# Allegro board RK_EVB1_RK3576_LP4XD200P132SD6_V12_20240530YWQ.brd (continued)
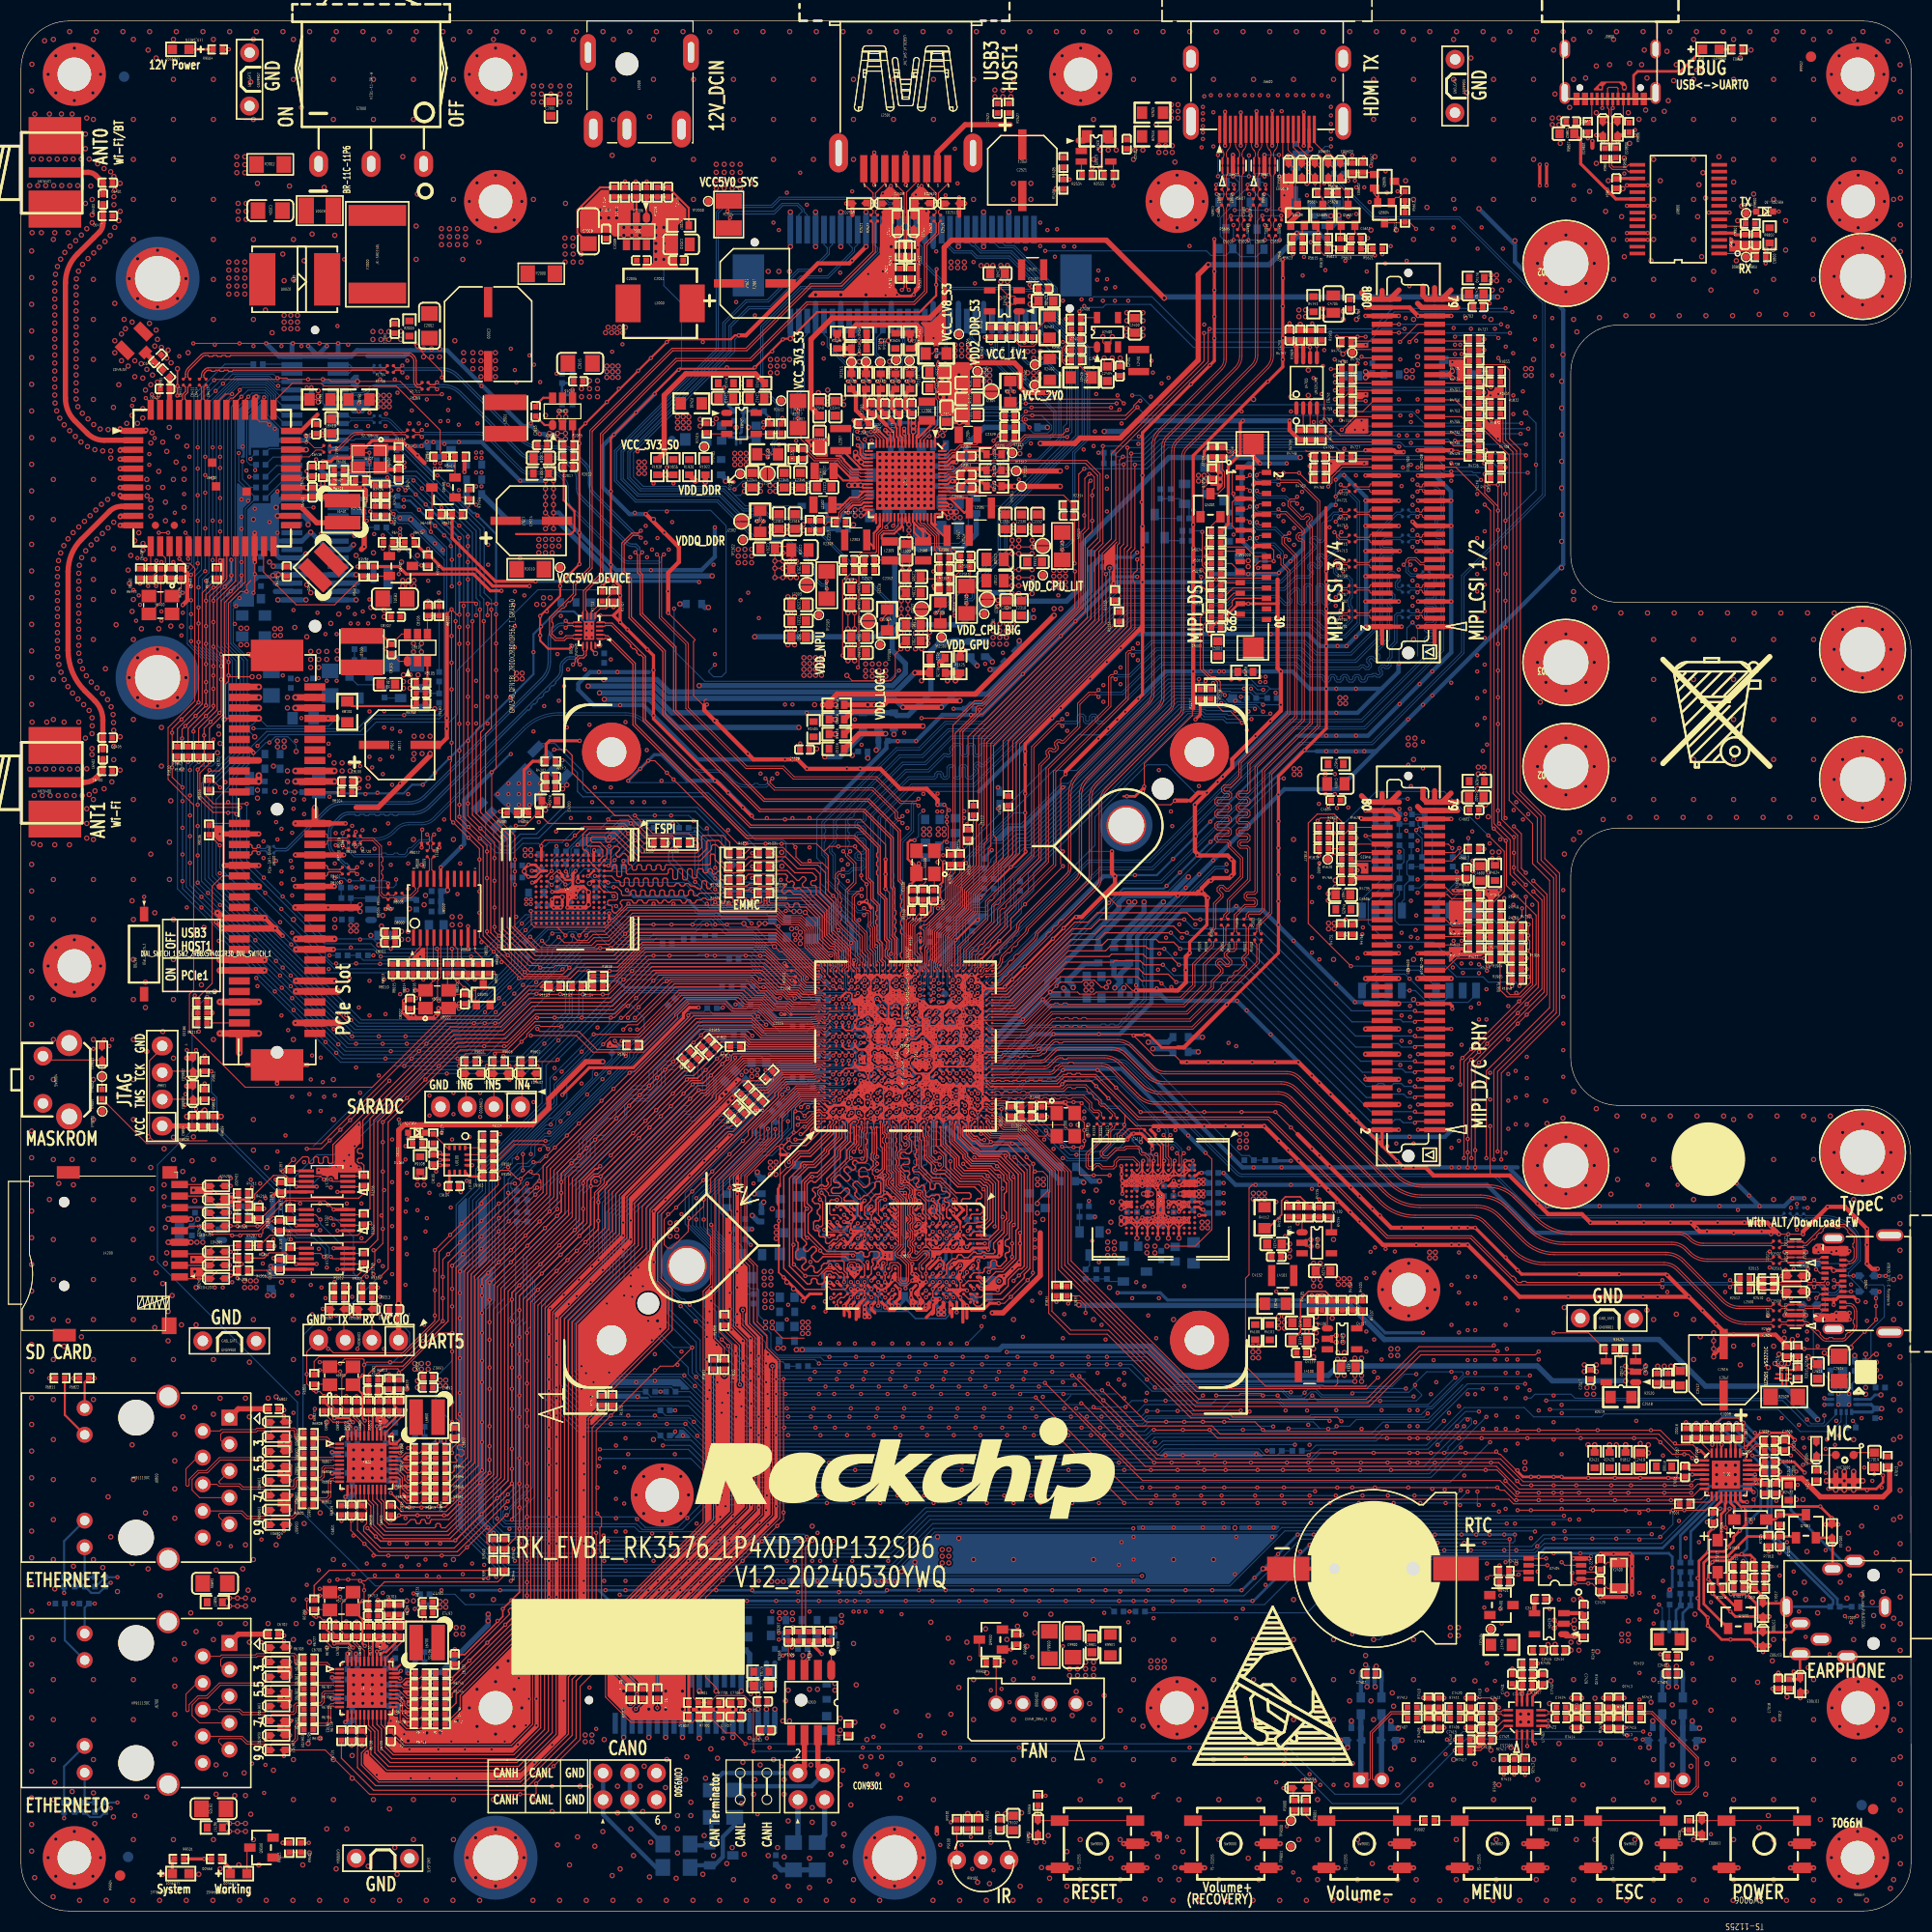
[diagram p0: board, top side]
## Nets (continued)
MIPI_DPHY_CSI1_PWM: R1831.2 R4755.1
MIPI_DPHY_CSI1_RX_CLKN: R4708.1 U1000.1AC23(MIPI_DPHY_CSI1_RX_CLKN |                     --)
MIPI_DPHY_CSI1_RX_CLKP: R4710.1 U1000.1AC22(MIPI_DPHY_CSI1_RX_CLKP |                     --)
MIPI_DPHY_CSI1_RX_D0N: R4700.1 U1000.AE28(MIPI_DPHY_CSI1_RX_D0N  |                     --)
MIPI_DPHY_CSI1_RX_D0P: R4704.1 U1000.AE29(MIPI_DPHY_CSI1_RX_D0P  |                     --)
MIPI_DPHY_CSI1_RX_D1N: R4706.1 U1000.AF28(MIPI_DPHY_CSI1_RX_D1N  |                     --)
MIPI_DPHY_CSI1_RX_D1P: R4703.1 U1000.AF29(MIPI_DPHY_CSI1_RX_D1P  |                     --)
MIPI_DPHY_CSI1_RX_D2N/MIPI_DPHY_CSI2_RX_D0N: R4712.1 U1000.AG28(MIPI_DPHY_CSI1_RX_D2N  |  MIPI_DPHY_CSI2_RX_D0N)
MIPI_DPHY_CSI1_RX_D2P/MIPI_DPHY_CSI2_RX_D0P: R4714.1 U1000.AG29(MIPI_DPHY_CSI1_RX_D2P  |  MIPI_DPHY_CSI2_RX_D0P)
MIPI_DPHY_CSI1_RX_D3N/MIPI_DPHY_CSI2_RX_D1N: R4716.1 U1000.AH28(MIPI_DPHY_CSI1_RX_D3N  |  MIPI_DPHY_CSI2_RX_D1N)
MIPI_DPHY_CSI1_RX_D3P/MIPI_DPHY_CSI2_RX_D1P: R4718.1 U1000.AH29(MIPI_DPHY_CSI1_RX_D3P  |  MIPI_DPHY_CSI2_RX_D1P)
MIPI_DPHY_CSI2_CAM_CLKOUT: R1901.2 R1902.2 R4752.1
MIPI_DPHY_CSI2_CAM_CLKOUT_CON: C4708.1 R4726.1 R4752.2 R4754.1
MIPI_DPHY_CSI2_PDN_H: R1941.2 R4732.1
MIPI_DPHY_CSI2_PWM: R1833.2 R4757.1
MIPI_DPHY_CSI2_RX_CLKN: R4720.1 U1000.1AD22(--                     | MIPI_DPHY_CSI2_RX_CLKN)
MIPI_DPHY_CSI2_RX_CLKP: R4722.1 U1000.1AD21(--                     | MIPI_DPHY_CSI2_RX_CLKP)
MIPI_DPHY_CSI3/4_PWREN_H: R1946.2 R4735.2 R4766.1
MIPI_DPHY_CSI3_CAM_CLKOUT: CON4700.40(MIPI_RX1_MCLK0) R1953.2
MIPI_DPHY_CSI3_PDN_H: R4731.2 R4765.1 U1000.1D10(--          | I2C3_SDA_M2    | SPI3_MISO_M1   | UART5_TX_M0    | --              | --              | FLEXBUS1_D0     | DSMC_CLKP   | SAI1_SDI2_M1 | --                  | VO_EBC_GDCLK  | VO_LCDC_HSYNC | GPIO3_D5_D)
MIPI_DPHY_CSI3_PWM: R1839.2 R4761.1
MIPI_DPHY_CSI3_RX_CLKN: R4709.2 U1000.1H23(MIPI_DPHY_CSI3_RX_CLKN |                     --)
MIPI_DPHY_CSI3_RX_CLKP: R4711.2 U1000.1H22(MIPI_DPHY_CSI3_RX_CLKP |                     --)
MIPI_DPHY_CSI3_RX_D0N: R4701.2 U1000.H29(MIPI_DPHY_CSI3_RX_D0N  |                     --)
MIPI_DPHY_CSI3_RX_D0P: R4705.2 U1000.H28(MIPI_DPHY_CSI3_RX_D0P  |                     --)
MIPI_DPHY_CSI3_RX_D1N: R4702.2 U1000.J29(MIPI_DPHY_CSI3_RX_D1N  |                     --)
MIPI_DPHY_CSI3_RX_D1P: R4707.2 U1000.J28(MIPI_DPHY_CSI3_RX_D1P  |                     --)
MIPI_DPHY_CSI3_RX_D2N/MIPI_DPHY_CSI4_RX_D0N: R4713.2 U1000.K29(MIPI_DPHY_CSI3_RX_D2N  |  MIPI_DPHY_CSI4_RX_D0N)
MIPI_DPHY_CSI3_RX_D2P/MIPI_DPHY_CSI4_RX_D0P: R4715.2 U1000.K28(MIPI_DPHY_CSI3_RX_D2P  |  MIPI_DPHY_CSI4_RX_D0P)
MIPI_DPHY_CSI3_RX_D3N/MIPI_DPHY_CSI4_RX_D1N: R4717.2 U1000.L29(MIPI_DPHY_CSI3_RX_D3N  |  MIPI_DPHY_CSI4_RX_D1N)
MIPI_DPHY_CSI3_RX_D3P/MIPI_DPHY_CSI4_RX_D1P: R4719.2 U1000.L28(MIPI_DPHY_CSI3_RX_D3P  |  MIPI_DPHY_CSI4_RX_D1P)
MIPI_DPHY_CSI4_CAM_CLKOUT: R1905.2 R4760.1
MIPI_DPHY_CSI4_CAM_CLKOUT_CON: C4709.1 R4727.2 R4760.2 R4762.1
MIPI_DPHY_CSI4_PDN_H: R1945.2 R4733.2
MIPI_DPHY_CSI4_PWM: R1835.2 R4764.1
MIPI_DPHY_CSI4_RX_CLKN: R4721.2 U1000.1K23(--                     | MIPI_DPHY_CSI4_RX_CLKN)
MIPI_DPHY_CSI4_RX_CLKP: R4723.2 U1000.1K22(--                     | MIPI_DPHY_CSI4_RX_CLKP)
MIPI_DPHY_DSI_TX_CLKN: R5004.2 U1000.AK17(MIPI_DPHY_DSI_TX_CLKN | MIPI_CPHY_DSI_TX_TRIO1_B)
MIPI_DPHY_DSI_TX_CLKP: R5005.1 U1000.AL17(MIPI_DPHY_DSI_TX_CLKP | MIPI_CPHY_DSI_TX_TRIO1_C)
MIPI_DPHY_DSI_TX_D0N: R5000.2 U1000.AK15(MIPI_DPHY_DSI_TX_D0N  | MIPI_CPHY_DSI_TX_TRIO0_A)
MIPI_DPHY_DSI_TX_D0P: R5001.1 U1000.AL15(MIPI_DPHY_DSI_TX_D0P  | MIPI_CPHY_DSI_TX_TRIO0_B)
MIPI_DPHY_DSI_TX_D1N: R5002.1 U1000.AK16(MIPI_DPHY_DSI_TX_D1N  | MIPI_CPHY_DSI_TX_TRIO0_C)
MIPI_DPHY_DSI_TX_D1P: R5003.2 U1000.AL16(MIPI_DPHY_DSI_TX_D1P  | MIPI_CPHY_DSI_TX_TRIO1_A)
MIPI_DPHY_DSI_TX_D2N: R5006.1 U1000.AK18(MIPI_DPHY_DSI_TX_D2N  | MIPI_CPHY_DSI_TX_TRIO2_A)
MIPI_DPHY_DSI_TX_D2P: R5007.2 U1000.AL18(MIPI_DPHY_DSI_TX_D2P  | MIPI_CPHY_DSI_TX_TRIO2_B)
MIPI_DPHY_DSI_TX_D3N: R5008.2 U1000.AK19(MIPI_DPHY_DSI_TX_D3N  | MIPI_CPHY_DSI_TX_TRIO2_C)
MIPI_DPHY_DSI_TX_D3P: R5009.1 U1000.AL19(MIPI_DPHY_DSI_TX_D3P  |                   NO_USE)
MIPI_DPHY_FSYNC: R4614.1 R4753.1 R4759.1
MIPI_DPHY_HSYNC: R4616.1 R4756.1 R4763.1
MIPI_TE: Q5001.2(EMITTER) R5011.2 R5024.2
MIPI_TE_M1_GPIO3_A2: Q5001.3(COLLECTOR) R1904.2 R5021.2
NPOR: C1119.1 R1106.1 R1107.1 U1000.W28(NPOR)
OSC_1V8: C1102.1 R1119.2 R1124.2 U1000.2J10(OSC_AVDD1V8)
OSC_UFS_AVDD: C1307.1 R1324.1 U1000.2M2(OSC_UFS_AVDD)
OSC_UFS_XIN: C1304.1 R1302.2 U1000.AK5(OSC_UFS_XIN) Y1300.3(X2)
OSC_UFS_XOUT: R1300.1 R1302.1 U1000.AL5(OSC_UFS_XOUT)
OTP_VDD0V75: C1117.1 R1148.1 U1000.2H11(OTP_DVDD0V75)
PCIE0_CLKREQN_1V8: Q6400.2(EMITTER) R6414.2 R6418.2 U6400.37(PCIE_CLKREQ_L)
PCIE0_CLKREQN_M0: Q6400.3(COLLECTOR) R6408.2 R6515.1 U1000.1A17(--          | --              | PCIE0_CLKREQN_M0 | SPI4_CSN0_M3  | UART1_CTSN_M1  | PDM0_SDI1_M3 | SAI0_SDI2_M0 | ETH0_TXD3_M1        | SDMMC1_CMD_M1       | VI_CIF_D11           | GPIO2_B2_D)
PCIE0_PERSTN: R6410.1 R6517.1 U1000.A19(--          | SATA0_ACTLED_M0 | --               | SPI4_MOSI_M3  | UART7_CTSN_M0  | PDM0_SDI0_M3 | SAI0_SDI3_M0 | ETH0_TXD2_M1        | SDMMC1_PWREN_M1     | VI_CIF_D9            | GPIO2_B4_D)
PCIE0_PERSTN_1V8: R6410.2 R6413.1 U6400.12(PCIE_PERST_L)
PCIE0_SOC_REFCLKN: R1713.1 R1714.1 U1000.1N23(PCIE0_REFCLKN |        --)
PCIE0_SOC_REFCLKP: R1715.1 R1716.1 U1000.1N22(PCIE0_REFCLKP |        --)
PCIE0_SOC_RXN: R1708.1 R1709.1 U1000.R29(PCIE0_RXN     | SATA0_RXN)
PCIE0_SOC_RXP: R1710.1 R1711.1 U1000.R28(PCIE0_RXP     | SATA0_RXP)
PCIE0_SOC_TXN: R1705.1 R1706.1 U1000.P28(PCIE0_TXN     | SATA0_TXN)
PCIE0_SOC_TXP: R1703.1 R1704.1 U1000.P29(PCIE0_TXP     | SATA0_TXP)
PCIE0_WAKEN_1V8: Q6401.2(EMITTER) R6415.2 R6419.2 U6400.24(PCIE_PME_L)
PCIE0_WAKEN_M0: Q6401.3(COLLECTOR) R6409.2 R6516.1 U1000.1Y22(UART1_CTSN_M0 | PWM1_CH5_M0 | CPUBIG_AVS     | --              | I2C4_SCL_M0      | PDM0_SDI2_M0 | SAI0_SDO2_M1   | SAI0_SDI2_M1 | GPIO0_D2_D)
PCIE1_CLKREQN_M0: Q8000.1(GATE) R8106.1 U1000.1B16(--          | --              | PCIE1_CLKREQN_M0 | SPI4_CLK_M3   | UART1_RTSN_M1  | PDM0_CLK1_M3 | SAI0_SDO2_M0 | ETH0_TXCLK_M1       | SDMMC1_CLK_M1       | VI_CIF_D10           | GPIO2_B3_D)
PCIE1_PERSTN: R8104.2 SW1801.8(B1)
PCIE1_PRSNT_L: R1950.2 R8108.1
PCIE1_PWREN_H: R1939.2 R8035.1 R8102.1 R8117.1
PCIE1_REFCLKN: R1720.1 R8116.1 U1000.1M23(PCIE1_REFCLKN | --        |              --)
PCIE1_REFCLKP: R1719.1 R8114.1 U1000.1L23(PCIE1_REFCLKP | --        |              --)
PCIE1_RXN: R8109.2 U1700.16(HSB0-)
PCIE1_RXN/USB3_HOST1_SSRXN: U1000.M29(PCIE1_RXN     | SATA1_RXN | USB3_OTG1_SSRXN) U1700.1(A0-)
PCIE1_RXP: R8107.2 U1700.15(HSB0+)
PCIE1_RXP/USB3_HOST1_SSRXP: U1000.M28(PCIE1_RXP     | SATA1_RXP | USB3_OTG1_SSRXP) U1700.2(A0+)
PCIE1_TXN: C8108.1 U1700.11(HSB1-)
PCIE1_TXN/USB3_HOST1_SSTXN: U1000.N29(PCIE1_TXN     | SATA1_TXN | USB3_OTG1_SSTXN) U1700.4(A1-)
PCIE1_TXP: C8107.1 U1700.10(HSB1+)
PCIE1_TXP/USB3_HOST1_SSTXP: U1000.N28(PCIE1_TXP     | SATA1_TXP | USB3_OTG1_SSTXP) U1700.5(A1+)
PCIE1_WAKEN_M0: R1142.2 R8103.1
PCIE_CLKIC_0_REFCLKN: R1720.2 R8005.2 R8007.2
PCIE_CLKIC_0_REFCLKP: R1719.2 R8004.2 R8006.2
PCIE_CLKIC_1_REFCLKN: R8009.2 R8011.1 R8120.1
PCIE_CLKIC_1_REFCLKP: R8008.2 R8012.1 R8119.1
PCIE_COMBOPHY_AVDD0V85: C1700.1 C1702.1 R1700.1 U1000.2E11(PCIE1_SATA1_USB3_OTG1_AVDD0V85) U1000.2F11(PCIE0_SATA0_AVDD0V85)
PCIE_COMBOPHY_AVDD1V8: C1701.1 C1703.1 C1704.1 R1701.1 U1000.2E12(PCIE1_SATA1_USB3_OTG1_AVDD1V8) U1000.2F12(PCIE0_SATA0_AVDD1V8)
PCIE_CON_REFCLKN: CON6500.44(SOC_PCIE_CLKN) R6502.2
PCIE_CON_REFCLKP: CON6500.46(SOC_PCIE_CLKP) R6501.2
PCIE_CON_TXN: C6501.2 CON6500.56(SOC_PCIE TXN)
PCIE_CON_TXP: C6500.2 CON6500.58(SOC_PCIE TXP)
PCIE_SLOT_CLKREQN_3V3_C: R8106.2 U8100.B12(RSVD_B12)
PCIE_SLOT_PERSTN_3V3_C: R8104.1 U8100.A11(PERST#)
PCIE_SLOT_PRSNT_L_3V3_C: R8108.2 R8110.2 R8111.1 U8100.B17(PRSNT2#_1)
PCIE_SLOT_REFCLKN: R8116.2 R8120.2 U8100.A14(REFCLK-)
PCIE_SLOT_REFCLKP: R8114.2 R8119.2 U8100.A13(REFCLK+)
PCIE_SLOT_RXDN: R8109.1 U8100.A17(PERN0)
PCIE_SLOT_RXDP: R8107.1 U8100.A16(PERP0)
PCIE_SLOT_TXDN: C8108.2 U8100.B15(PETN0)
PCIE_SLOT_TXDP: C8107.2 U8100.B14(PETP0)
PCIE_SLOT_WAKEN_3V3_C: R8103.2 U8100.B11(WAKE#)
PDM1_CLK0_M1: R1809.2 R7706.2
PDM1_CLK0_M1_LOOPBACK: R1807.2 U7402.3(PDM_CLK)
PDM1_CLK1_M1: R7705.1 U1000.1A5(--          | UART2_RTSN_M1    | UART6_RTSN_M0 | UART5_TX_M1   | SPI4_CLK_M2  | FLEXBUS1_D13_M1 | PDM1_CLK1_M1    | SAI1_SDI3_M0 | SAI1_SDO1_M0 | GPIO4_B0_D)
PDM1_SDI0_M1: R1811.2 R7708.2
PDM1_SDI1_M1: R7707.1 U1000.B6(--          | --               | MIPI_TE_M0    | --            | SPI4_MISO_M2 | FLEXBUS1_D15_M1 | PDM1_SDI1_M1    | SAI1_SDI1_M0 | SAI1_SDO3_M0 | GPIO4_B2_D)
PDM1_SDI2_M1: R7710.2 U1000.B7(--          | UART2_CTSN_M1    | UART6_CTSN_M0 | UART5_RX_M1   | SPI4_MOSI_M2 | FLEXBUS1_D14_M1 | PDM1_SDI2_M1    | SAI1_SDI2_M0 | SAI1_SDO2_M0 | GPIO4_B1_D)
PDM1_SDI3_M1: R1805.2 R7709.1
PDM1_SDI3_M1_LOOPBACK: R1804.2 R7413.1
PHY0_CHASSIS_GND: C6705.1 J6700.10(EARTH) J6700.15 J6700.16 R6717.2
PHY0_CLKOUT125: R6710.2 U6700.35(CLKOUT)
PHY0_LED0/CFG_EXT: R6718.2 R6719.1 U6700.32(LED0/CFG_EXT)
PHY0_LED1/CFG_LDO0: J6700.11(G+) R6722.2 U6700.33(LED1/CFG_LDO0)
PHY0_LED2/CFG_LDO1: C6704.1 R6714.1 R6715.1 R6720.2 R6721.1 U6700.34(LED2/CFG_LDO1)
PHY0_MDI0+: R6708.1 U6700.1(MDI[0]+)
PHY0_MDI0-: R6707.1 U6700.2(MDI[0]-)
PHY0_MDI1+: R6706.1 U6700.4(MDI[1]+)
PHY0_MDI1-: R6705.1 U6700.5(MDI[1]-)
PHY0_MDI2+: R6704.1 U6700.6(MDI[2]+)
PHY0_MDI2-: R6703.1 U6700.7(MDI[2]-)
PHY0_MDI3+: R6701.1 U6700.9(MDI[3]+)
PHY0_MDI3-: R6700.1 U6700.10(MDI[3]-)
PHY0_MDI_0+: ED6704.1 J6700.2(MDI0+) R6708.2
PHY0_MDI_0-: ED6705.1 J6700.3(MDI0-) R6707.2
PHY0_MDI_1+: ED6706.1 J6700.4(MDI1+) R6706.2
PHY0_MDI_1-: ED6700.1 J6700.7(MDI1-) R6705.2
PHY0_MDI_2+: ED6701.1 J6700.5(MDI2+) R6704.2
PHY0_MDI_2-: ED6702.1 J6700.6(MDI2-) R6703.2
PHY0_MDI_3+: ED6703.1 J6700.8(MDI3+) R6701.2
PHY0_MDI_3-: ED6707.1 J6700.9(MDI3-) R6700.2
PHY0_REG_OUT: L6700.1 U6700.30(REG_OUT)
PHY0_RSTN: C6721.1 R6739.2 U6700.12(PHYRSTB)
PHY0_RXCLK/PHYAD1: R6735.2 R6744.1 U6700.27(RXC/PHYAD1)
PHY0_RXD0/RXDLY: R6725.2 R6726.1 R6740.1 U6700.25(RXD0/RXDLY)
PHY0_RXD1/TXDLY: R6728.2 R6729.1 R6741.1 U6700.24(RXD1/TXDLY)
PHY0_RXD2/PLLOFF: R6723.2 R6724.1 R6742.1 U6700.23(RXD2/PLLOFF)
PHY0_RXD3/PHYAD0: R6732.2 R6734.1 R6743.1 U6700.22(RXD3/PHYAD0)
PHY0_RXDV/PHYAD2: R6736.2 R6745.1 U6700.26(RXCTL/PHYAD2)
PHY0_XTALIN: C6701.1 R6702.1 U6700.36(XTAL_IN) Y6700.3(X2)
PHY0_XTALOUT: C6700.1 R6709.2 U6700.37(XTAL_OUT/EXT_CLK) Y6700.1(X1)
PHY1_CHASSIS_GND: C6805.1 J6800.10(EARTH) J6800.15 J6800.16 R6817.2
PHY1_CLKOUT125: R6810.2 U6800.35(CLKOUT)
PHY1_LED0/CFG_EXT: R6818.2 R6819.1 U6800.32(LED0/CFG_EXT)
PHY1_LED1/CFG_LDO0: J6800.11(G+) R6822.2 U6800.33(LED1/CFG_LDO0)
PHY1_LED2/CFG_LDO1: C6804.1 R6814.1 R6815.1 R6820.2 R6821.1 U6800.34(LED2/CFG_LDO1)
PHY1_MDI0+: R6808.1 U6800.1(MDI[0]+)
PHY1_MDI0-: R6807.1 U6800.2(MDI[0]-)
PHY1_MDI1+: R6806.1 U6800.4(MDI[1]+)
PHY1_MDI1-: R6805.1 U6800.5(MDI[1]-)
PHY1_MDI2+: R6804.1 U6800.6(MDI[2]+)
PHY1_MDI2-: R6802.1 U6800.7(MDI[2]-)
PHY1_MDI3+: R6803.1 U6800.9(MDI[3]+)
PHY1_MDI3-: R6800.1 U6800.10(MDI[3]-)
PHY1_MDI_0+: ED6800.1 J6800.2(MDI0+) R6808.2
PHY1_MDI_0-: ED6801.1 J6800.3(MDI0-) R6807.2
PHY1_MDI_1+: ED6802.1 J6800.4(MDI1+) R6806.2
PHY1_MDI_1-: ED6803.1 J6800.7(MDI1-) R6805.2
PHY1_MDI_2+: ED6804.1 J6800.5(MDI2+) R6804.2
PHY1_MDI_2-: ED6806.1 J6800.6(MDI2-) R6802.2
PHY1_MDI_3+: ED6807.1 J6800.8(MDI3+) R6803.2
PHY1_MDI_3-: ED6805.1 J6800.9(MDI3-) R6800.2
PHY1_REG_OUT: L6800.1 U6800.30(REG_OUT)
PHY1_RSTN: C6821.1 R6839.2 U6800.12(PHYRSTB)
PHY1_RXCLK/PHYAD1: R6835.2 R6844.1 U6800.27(RXC/PHYAD1)
PHY1_RXD0/RXDLY: R6825.2 R6826.1 R6840.1 U6800.25(RXD0/RXDLY)
PHY1_RXD1/TXDLY: R6828.2 R6829.1 R6841.1 U6800.24(RXD1/TXDLY)
PHY1_RXD2/PLLOFF: R6823.2 R6824.1 R6842.1 U6800.23(RXD2/PLLOFF)
PHY1_RXD3/PHYAD0: R6832.2 R6833.1 R6843.1 U6800.22(RXD3/PHYAD0)
PHY1_RXDV/PHYAD2: R6836.2 R6845.1 U6800.26(RXCTL/PHYAD2)
PHY1_XTALIN: C6801.1 R6801.1 U6800.36(XTAL_IN) Y6800.3(X2)
PHY1_XTALOUT: C6800.1 R6809.2 U6800.37(XTAL_OUT/EXT_CLK) Y6800.1(X1)
PLL_AVDD1V8: C1105.1 R1136.2 U1000.2H12(PLL_AVDD1V8)
PLL_DVDD0V75: C1104.1 R1132.2 U1000.2G11(PLL_DVDD0V75)
PMIC_EXT_EN_OUT: R2405.1 R2406.1 U2300.39((M\/S)EXT_EN)
PMIC_FB5: R2302.2 R2305.1 U2300.47(FB5)
PMIC_FB6: C2317.2 R2308.2 R2310.1 U2300.31(FB6)
PMIC_FB9: C2329.2 R2313.2 R2315.1 U2300.66(FB9)
PMIC_INT_L: R1116.2 U2300.19(INT)
PMIC_PWR_CTRL1: R1112.2 U2300.62(PWRCTRL1)
PMIC_PWR_CTRL2: Q3801.1(GATE) R1114.2 U2300.61(PWRCTRL2)
PMIC_SW1: L2301.1 U2300.50(SW1_1) U2300.51(SW1_2)
PMIC_SW2: L2303.1 U2300.35(SW2_1) U2300.36(SW2_2)
PMIC_SW3: L2305.1 U2300.55(SW3)
PMIC_SW4: L2307.1 U2300.23(SW4)
PMIC_SW5: L2300.2 U2300.45(SW5)
PMIC_SW6: L2302.2 U2300.29(SW6)
PMIC_SW7: L2309.1 U2300.42(SW7)
PMIC_SW8: L2306.2 U2300.6(SW8)
PMIC_SW9: L2304.2 U2300.68(SW9)
PMIC_SW10: L2308.2 U2300.26(SW10)
PMIC_VDC: C2368.1 R2330.2 R2332.1 U2300.32(VDC)
PMU_DVDD0V75: C1107.1 C1118.1 R1146.1 U1000.2L2(PMU_LOGIC_DVDD0V75_0) U1000.2L10(PMU_LOGIC_DVDD0V75_1)
PMUIO0_VCC1V8: C1103.1 R1105.1 R1121.1 R1125.1 R1126.1 R1127.1 R1128.1 R2423.1 U1000.2K11(PMUIO0_VCC1V8)
PMUIO1_VCC: C1106.1 R1134.1 R1135.1 R1138.1 R1139.1 R1141.1 R6409.1 R6412.1 R9100.1 U1000.1U20(PMUIO1_VCC)
PWM0_CH0_M0_IR: C9100.1 R9101.1 U1000.1W22(--            | PWM0_CH0_M0 | --             | UART10_TX_M2    | --               | PDM0_CLK0_M0 | --             | SAI0_MCLK_M1 | GPIO0_C4_D)
PWM1_CH0_M0_LED: R1130.2 R9502.1
PWM2_CH5_M1_FAN: Q9900.2(SOURCE) R1834.2 R9902.2
PWRON_L: C2369.1 R9006.1 U2300.4(PWRON)
RESET_L: C2366.1 R1105.2 R1106.2 R9005.1 U2300.40(RESETB)
RIN1_ES8388: C7004.1 U7000.23(RIN1)
RIN2_ES8388: C7006.1 U7000.21(RIN2)
RSET0: R6727.2 U6700.39(RSET)
RSET1: R6827.2 U6800.39(RSET)
RTC_INT_L: R1110.2 U2405.3(I\N\T\)
SAI1_LRCK_M0: R1806.2 U7000.7(LRCK)
SAI1_MCLK_M0: R1802.2 U7000.1(MCLK)
SAI1_SCLK_M0: R1803.2 U7000.5(SCLK)
SAI1_SDI0_M0: R1810.2 R7001.1
SAI1_SDO0_M0: R1808.2 U7000.6(DSDIN)
SAI2_LRCK_M0: R1822.2 U6400.21(BT_PCM_SYNC)
SAI2_LRCK_M0_CON: CON6500.53(SOC_PCM_SYNC) R1855.2
SAI2_SCLK_M0: R1821.2 U6400.22(BT_PCM_CLK)
SAI2_SCLK_M0_CON: CON6500.51(SOC_PCM_CLK) R1854.2
SAI2_SDI_M0: R1842.2 R6401.1
SAI2_SDI_M0_CON: R1856.2 R6500.2
SAI2_SDO_M0: R1820.2 U6400.20(BT_PCM_IN)
SAI2_SDO_M0_CON: CON6500.55(SOC_PCM_OUT) R1853.2
SAI4_LRCK_M2: R1841.2 R4743.1
SAI4_LRCK_M2_DCPHY: R1840.2 R4622.1
SAI4_MCLK_M2: R1829.2 R4745.1
SAI4_MCLK_M2_DCPHY: R1828.2 R4620.2
SAI4_SCLK_M2: R1852.2 R4746.1
SAI4_SCLK_M2_DCPHY: R1850.2 R4621.2
SAI4_SDI_M2: R1847.2 R4749.1
SAI4_SDI_M2_DCPHY: R1844.2 R4623.2
SARADC_AVDD1V8: C1116.1 R1102.1 R1104.1 R1147.1 R9600.1 U1000.2A10(SARADC_AVDD1V8)
SARADC_VIN0_BOOT: C1108.1 R1102.2 R1103.1 R9004.1 U1000.A25(SARADC_IN0_BOOT)
SARADC_VIN1_KEY/RECOVERY: C1109.1 ED9000.1 R1104.2 R9000.1 R9001.1 U1000.1A22(SARADC_IN1)
SARADC_VIN2_HW_ID: C1110.1 R9600.2 R9601.1 U1000.1B19(SARADC_IN2)
SARADC_VIN3_HP_HOOK: C1111.1 C7017.1 R7009.2 R7011.1 U1000.1C19(SARADC_IN3)
SARADC_VIN4: C1112.1 R9602.1 U1000.1E18(SARADC_IN4)
SARADC_VIN4_C: CON9600.1 ED9602.1 R9602.2
SARADC_VIN5: C1113.1 R9603.1 U1000.1D19(SARADC_IN5)
SARADC_VIN5_C: CON9600.2 ED9601.1 R9603.2
SARADC_VIN6: C1114.1 R9604.1 U1000.1D21(SARADC_IN6)
SARADC_VIN6_C: CON9600.3 ED9600.1 R9604.2
SARADC_VIN7_LCD_ID: C1115.1 R5012.1 U1000.1E19(SARADC_IN7)
SD_CMD: ED4205.1 J4200.3(CMD) R4207.2
SD_D0: ED4203.1 J4200.7(DATA0) R4209.2
SD_D1: ED4202.1 J4200.8(DATA1) R4210.2
SD_D2: ED4207.1 J4200.1(DATA2) R4208.2
SD_D3: ED4206.1 J4200.2(CD/DATA3) R4206.2
SD_DET: ED4201.1 J4200.9(CD) R4211.2
SDIO_CMD_CON: CON6500.28(SDIO_CMD) R6509.2
SDIO_D0_CON: CON6500.38(SDIO_D0) R6506.2
SDIO_D1_CON: CON6500.40(SDIO_D1) R6505.2
SDIO_D2_CON: CON6500.36(SDIO_D2) R6507.2
SDIO_D3_CON: CON6500.34(SDIO_D3) R6508.2
SDMMC0_CLK: ED4204.1 J4200.5(CLK) R1363.2 U1302.8(HSD1-)
SDMMC0_CLK/UART5_TX_M2/I2C5_SCL_M0: R1353.2 R1363.1 U1302.6(D-)
SDMMC0_CMD: R1361.2 R1362.2 R4207.1 U1302.2(HSD1+)
SDMMC0_CMD/UART5_RX_M2/I2C5_SDA_M0: R1362.1 U1000.1A21(PWM2_CH4_M0    | --         | SPI0_CSN0_M1 | I2C5_SDA_M0 | --            | UART5_RX_M2 | --           | SAI3_SDO_M3  | --            | FSPI1_CSN0_M0 | SDMMC0_CMD | GPIO2_A4_D) U1302.4(D+)
SDMMC0_D0: R1356.2 R1360.2 R4209.1 U1301.2(HSD1+)
SDMMC0_D0/CAN0_RX_M0: R1356.1 U1000.B24(PWM2_CH2_M0    | CAN0_RX_M0 | SPI0_MOSI_M1 | I2C8_SCL_M0 | UART7_RX_M2   | UART0_RX_M1 | --           | --           | DSM_AUD_LP_M0 | FSPI1_D0_M0   | SDMMC0_D0  | GPIO2_A0_D) U1301.4(D+)
SDMMC0_D1: R1357.2 R4210.1 U1301.8(HSD1-)
SDMMC0_D1/CAN0_TX_M0: R1357.1 U1000.B25(PWM2_CH3_M0    | CAN0_TX_M0 | SPI0_MISO_M1 | I2C8_SDA_M0 | UART7_TX_M2   | UART0_TX_M1 | --           | SAI3_MCLK_M3 | DSM_AUD_LN_M0 | FSPI1_D1_M0   | SDMMC0_D1  | GPIO2_A1_D) U1301.6(D-)
SDMMC0_D2: R1358.2 R4208.1 U1300.2(HSD1+)
SDMMC0_D2/JTAG_TCK_M0: R1358.1 U1000.A23(I3C1_SCL_M1    | CAN1_RX_M0 | SPI0_CSN1_M1 | --          | UART5_RTSN_M2 | JTAG_TCK_M0 | --           | SAI3_LRCK_M3 | DSM_AUD_RP_M0 | FSPI1_D2_M0   | SDMMC0_D2  | GPIO2_A2_D) U1300.4(D+)
SDMMC0_D3: R1359.2 R4206.1 U1300.8(HSD1-)
SDMMC0_D3/JTAG_TMS_M0: R1359.1 U1000.B23(I3C1_SDA_M1    | CAN1_TX_M0 | --           | --          | UART5_CTSN_M2 | JTAG_TMS_M0 | --           | SAI3_SDI_M3  | DSM_AUD_RN_M0 | FSPI1_D3_M0   | SDMMC0_D3  | GPIO2_A3_D) U1300.6(D-)
SDMMC0_DET_L: R1117.2 R1121.2 R4211.1 U1300.1(S) U1301.1(S) U1302.1(S)
SDMMC0_PWREN_H: R4201.1 U1000.1Y24(--            | PWM1_CH2_M0 | --             | EDP_TX_HPDIN_M1 | HDMI_TX_HPDIN_M1 | --           | SDMMC1_DETN_M2 | SDMMC0_PWREN | GPIO0_B6_D)
SDMMC1_CLK_M0: CON6500.30(SDIO_CLK) R1813.2
SDMMC1_CMD_M0: R6503.2 R6509.1 U1000.B26(PWM0_CH0_M1  | --               | SPI1_CSN1_M0 | --             | UART3_TX_M2    | --           | PDM0_SDI2_M2 | --            | --            | SDMMC1_CMD_M0   | ETH1_TXD3_M1        | GPIO1_C0_D)
SDMMC1_D0_M0: R6504.2 R6506.1 U1000.A28(PWM1_CH0_M1  | PCIE1_CLKREQN_M1 | SPI1_CLK_M0  | I2C9_SDA_M1    | --             | --           | --           | SAI3_SCLK_M1  | --            | SDMMC1_D0_M0    | ETH1_RXD2_M1        | GPIO1_B4_D)
SDMMC1_D1_M0: R6505.1 U1000.B27(PWM1_CH1_M1  | --               | SPI1_MOSI_M0 | I2C9_SCL_M1    | --             | --           | --           | SAI3_LRCK_M1  | --            | SDMMC1_D1_M0    | ETH1_RXD3_M1        | GPIO1_B5_D)
SDMMC1_D2_M0: R6507.1 U1000.1A23(--           | PCIE0_CLKREQN_M1 | SPI1_MISO_M0 | --             | UART3_CTSN_M2  | --           | --           | SAI3_SDO_M1   | --            | SDMMC1_D2_M0    | ETH1_RXCLK_M1       | GPIO1_B6_D)
SDMMC1_D3_M0: R6508.1 U1000.A27(--           | --               | SPI1_CSN0_M0 | --             | UART3_RTSN_M2  | --           | --           | SAI3_SDI_M1   | --            | SDMMC1_D3_M0    | ETH1_TXD2_M1        | GPIO1_B7_D)
SPDIF_RX1_M1_DCPHY: R1948.2 R4628.2
SPDIF_RX1_M1_DPHY: R1906.2 R4751.1
SPK_CTL_H: R1908.2 R7400.1 U7400.1(EN) U7401.1(EN)
TP_INT_L: R5016.1 U1000.1AA22(--            | --          | I3C0_SDA_PU_M0 | UART10_RX_M2    | DP_HPDIN_M1      | --           | --             | SAI0_SDO0_M1 | GPIO0_C5_D)
TP_RST_L: R5017.2 U1000.1W23(--            | --          | SPI0_MOSI_M0   | --              | --               | PDM0_SDI0_M0 | --             | SAI0_SDI0_M1 | GPIO0_D0_D)
TSADC_CTRL_M0: R1107.2 U1000.1R24(--          | TSADC_CTRL_ORG | TSADC_CTRL_M0 | --              | --           | GPIO0_A1_Z)
TVSS: R1108.1 U1000.2H10(TVSS)
TYPEC_CC1: C2507.1 ED2501.1 J2500.A5(CC1) U2500.10(CC1_10) U2500.11(CC1_11)
TYPEC_CC2: C2506.1 ED2502.1 J2500.B5(CC2) U2500.1(CC2_1) U2500.14(CC2_14)
TYPEC_DM: ED2506.1 J2500.A7(D-1) J2500.B7(D-2) L2500.1 R2516.2
TYPEC_DP: ED2504.1 J2500.A6(D+1) J2500.B6(D+2) L2500.3 R2510.2
TYPEC_DPTX_AUX_PUPDCTL1: R2500.1 U1000.B22(--          | --              | I2C4_SCL_M2      | SPI4_CSN1_M3  | UART8_TX_M1    | --           | SAI0_SDO0_M0 | ETH0_RXD0_M1        | SDMMC1_D0_M1        | VI_CIF_D15           | GPIO2_A6_D)
TYPEC_DPTX_AUX_PUPDCTL2: R2502.1 U1000.B20(--          | --              | I2C4_SDA_M2      | --            | UART8_RX_M1    | --           | SAI0_SDO1_M0 | ETH0_TXCTL_M1       | SDMMC1_D1_M1        | VI_CIF_D14           | GPIO2_A7_D)
TYPEC_RX1N: ED2505.1(IO1) ED2505.10(NC_10) J2500.B10(RX1-) R2505.2
TYPEC_RX1P: ED2505.2(IO2) ED2505.9(NC_9) J2500.B11(RX1+) R2506.2
TYPEC_RX2N: ED2507.1(IO1) ED2507.10(NC_10) J2500.A10(RX2-) R2507.2
TYPEC_RX2P: ED2507.2(IO2) ED2507.9(NC_9) J2500.A11(RX2+) R2508.2
TYPEC_SBU1: C2500.2 ED2500.1 J2500.A8(SBU1) R2500.2 R2503.1
TYPEC_SBU2: C2501.2 ED2503.1 J2500.B8(SBU2) R2502.2 R2504.1
TYPEC_TX1N: C2508.2 ED2505.5(IO4) ED2505.6(NC_6) J2500.A3(TX1-)
TYPEC_TX1P: C2509.2 ED2505.4(IO3) ED2505.7(NC_7) J2500.A2(TX1+)
TYPEC_TX2N: C2510.2 ED2507.5(IO4) ED2507.6(NC_6) J2500.B3(TX2-)
TYPEC_TX2P: C2511.2 ED2507.4(IO3) ED2507.7(NC_7) J2500.B2(TX2+)
UART0_RX_M0_DEBUG: R9801.1 U1000.AA28(--            | --          | --             | JTAG_TMS_M1     | UART0_RX_M0      | --           | --             | --           | GPIO0_D5_U)
UART0_TX_M0_DEBUG: D9800.2(K) U1000.1U24(--            | --          | --             | JTAG_TCK_M1     | UART0_TX_M0      | --           | --             | --           | GPIO0_D4_U)
UART4_CTSN_M1: CON6500.45(SOC_UART_CTS) R1815.2 U6400.42(BT_UART_RTS_N)
UART4_RTSN_M1: CON6500.47(SOC_UART_RTS) R1814.2 U6400.43(BT_UART_CTS_N)
UART4_RX_M1: CON6500.41(SOC_UART_RX) R1817.2 U6400.40(BT_UART_TXD)
UART4_TX_M1: CON6500.43(SOC_UART_TX) R1816.2 U6400.41(BT_UART_RXD)
UART5_RX_M2/I2C5_SDA_M0: R9311.2 R9313.1 U1302.3(HSD2+)
UART5_TX_M2/I2C5_SCL_M0: R9312.2 R9314.1 U1302.7(HSD2-)
UFS_AVDD0V85: C1302.1 C1303.1 R1320.1 U1000.2N2(UFS_AVDD0V85)
UFS_AVDD1V8: C1305.1 C1306.1 R1323.1 U1000.2P2(UFS_AVDD1V8)
UFS_REFCLK: C4109.1 R1306.2 U4100.H1(REF_CK)
UFS_RSTN: C4110.1 R1304.2 U4100.H2(RST_N)
UFS_RX0N: R1314.1 U1000.AL7(UFS_RX_D0N)
UFS_RX0P: R1313.1 U1000.AK8(UFS_RX_D0P)
UFS_RX1N: R1319.1 U1000.AL6(UFS_RX_D1N)
UFS_RX1P: R1318.1 U1000.AK7(UFS_RX_D1P)
UFS_RX_D0N: R1314.2 U4100.K1(TXDN0)
UFS_RX_D0P: R1313.2 U4100.K2(TXDP0)
UFS_RX_D1N: R1319.2 U4100.M1(TXDN1)
UFS_RX_D1P: R1318.2 U4100.M2(TXDP1)
UFS_SOC_REFCLK: R1306.1 U1000.AK4(UFS_REFCLK | GPIO4_D1_D)
UFS_SOC_RSTN: R1304.1 U1000.1AD2(UFS_RSTN   | GPIO4_D0_D)
UFS_TX0N: R1305.1 U1000.1AC6(UFS_TX_D0N)
UFS_TX0P: R1303.1 U1000.1AD6(UFS_TX_D0P)
UFS_TX1N: R1309.1 U1000.1AD5(UFS_TX_D1N)
UFS_TX1P: R1307.1 U1000.1AD4(UFS_TX_D1P)
UFS_TX_D0N: R1305.2 U4100.F2(RXDN0)
UFS_TX_D0P: R1303.2 U4100.F1(RXDP0)
UFS_TX_D1N: R1309.2 U4100.D2(RXDN1)
UFS_TX_D1P: R1307.2 U4100.D1(RXDP1)
UFS_TX_REXT: R1301.1 U1000.2R2(UFS_TX_REXT)
USB2_HOST1_DM: R2531.1 U1000.2T5(USB2_OTG1_DM)
USB2_HOST1_DP: R2530.1 U1000.2T4(USB2_OTG1_DP)
USB2_OTG0_DM: R2513.1 U1000.AL9(USB2_OTG0_DM)
USB2_OTG0_DP: R2512.1 U1000.AK9(USB2_OTG0_DP)
USB2_OTG0_ID: TP1400.1 U1000.2R6(USB2_OTG0_ID)
USB2_OTG0_REXT: R1401.1 U1000.2R3(USB2_OTG0_REXT)
USB2_OTG0_VBUSDET: C1404.1 R2514.1 R2517.1 U1000.2P3(USB2_OTG0_VBUSDET)
USB2_OTG1_ID: TP1401.1 U1000.2T9(USB2_OTG1_ID)
USB2_OTG1_REXT: R1402.1 U1000.2U8(USB2_OTG1_REXT)
USB2_OTG1_VBUSDET: C1409.1 R1405.1 R1406.1 U1000.2T10(USB2_OTG1_VBUSDET)
USB2_OTG_AVDD1V8: C1406.1 C1407.1 R1409.1 R1410.1 U1000.2P4(USB2_OTG_AVDD1V8)
USB2_OTG_AVDD3V3: C1408.1 R1411.1 R1412.1 U1000.2P7(USB2_OTG_AVDD3V3)
USB2_OTG_DVDD0V75: C1405.1 R1407.1 R1408.1 U1000.2P5(USB2_OTG_DVDD0V75)
USB3_HOST1_SSRXN: R2521.1 U1700.14(HSC0-)
USB3_HOST1_SSRXP: R2522.1 U1700.13(HSC0+)
USB3_HOST1_SSTXN: C2519.1 U1700.9(HSC1-)
USB3_HOST1_SSTXP: C2520.1 U1700.8(HSC1+)
USB3_HOST_PWREN_H: R1109.2 R2533.1 U2503.4(EN)
USB3_OTG0/DP_TX_AVDD0V85: C1400.1 C1401.1 R1403.1 U1000.2M5(USB3_OTG0_DP_TX_AVDD0V85) U1000.2N5(USB3_OTG0_DP_TX_DVDD0V85)
USB3_OTG0/DP_TX_AVDD1V8: C1402.1 C1403.1 R1404.1 U1000.2N4(USB3_OTG0_DP_TX_AVDD1V8)
USB3_OTG0_DP_TX_REXT: R1400.1 U1000.2T7(USB3_OTG0_REXT   | DP_TX_REXT)
USB3_OTG0_SSRX1N/DP_TX_D0N: R2505.1 U1000.AL10(USB3_OTG0_SSRX1N |  DP_TX_D0N)
USB3_OTG0_SSRX1P/DP_TX_D0P: R2506.1 U1000.AK10(USB3_OTG0_SSRX1P |  DP_TX_D0P)
USB3_OTG0_SSRX2N/DP_TX_D2N: R2507.1 U1000.AL12(USB3_OTG0_SSRX2N |  DP_TX_D2N)
USB3_OTG0_SSRX2P/DP_TX_D2P: R2508.1 U1000.AK12(USB3_OTG0_SSRX2P |  DP_TX_D2P)
USB3_OTG0_SSTX1N/DP_TX_D1N: C2508.1 U1000.AK11(USB3_OTG0_SSTX1N |  DP_TX_D1N)
USB3_OTG0_SSTX1P/DP_TX_D1P: C2509.1 U1000.AL11(USB3_OTG0_SSTX1P |  DP_TX_D1P)
USB3_OTG0_SSTX2N/DP_TX_D3N: C2510.1 U1000.AK13(USB3_OTG0_SSTX2N |  DP_TX_D3N)
USB3_OTG0_SSTX2P/DP_TX_D3P: C2511.1 U1000.AL13(USB3_OTG0_SSTX2P |  DP_TX_D3P)
USB3_PCIE1_SLOT_SEL: R1707.2 S1700.1(A1) U1700.6(SEL)
USB20_HOST_DM: ED2513.1 J2501.2(D-) L2501.3 R2532.2
USB20_HOST_DP: ED2512.1 J2501.3(D+) L2501.1 R2529.2
USB30_HOST_SSRXN: ED2509.1 J2501.5(RX-) R2521.2
USB30_HOST_SSRXP: ED2508.1 J2501.6(RX+) R2522.2
USB30_HOST_SSTXN: C2519.2 ED2510.1 J2501.8(TX-)
USB30_HOST_SSTXP: C2520.2 ED2511.1 J2501.9(TX+)
USB_OTG0_PWREN_H: R1137.2 R2523.1 U2502.4(EN)
USBCC_INT_L: R1115.2 U2500.5(INT#)
VIDEOIN_RESERVE_IO0: CON4600.52(MIPI_RX1_PDN0) R4765.2
VIDEOIN_RESERVE_IO1: CON4600.66(MIPI_RX1_PWREN) R4766.2
VMID_ES8388: C7011.1 U7000.20(VMID)
VREF_ES8388: C7009.1 U7000.10(VREF)
